# Altium PCB CHAHARDOLI-7 ADAD METAL.PcbDoc (part 11 of 11)
Units mm, origin at the board's own origin, x right, y up, seen from the top; angles counter-clockwise.
Board outline 151 x 86.38 mm, 2 copper layers (Top Layer, Bottom Layer); 1496 components, 81 nets, 3725 pads, 848 vias.
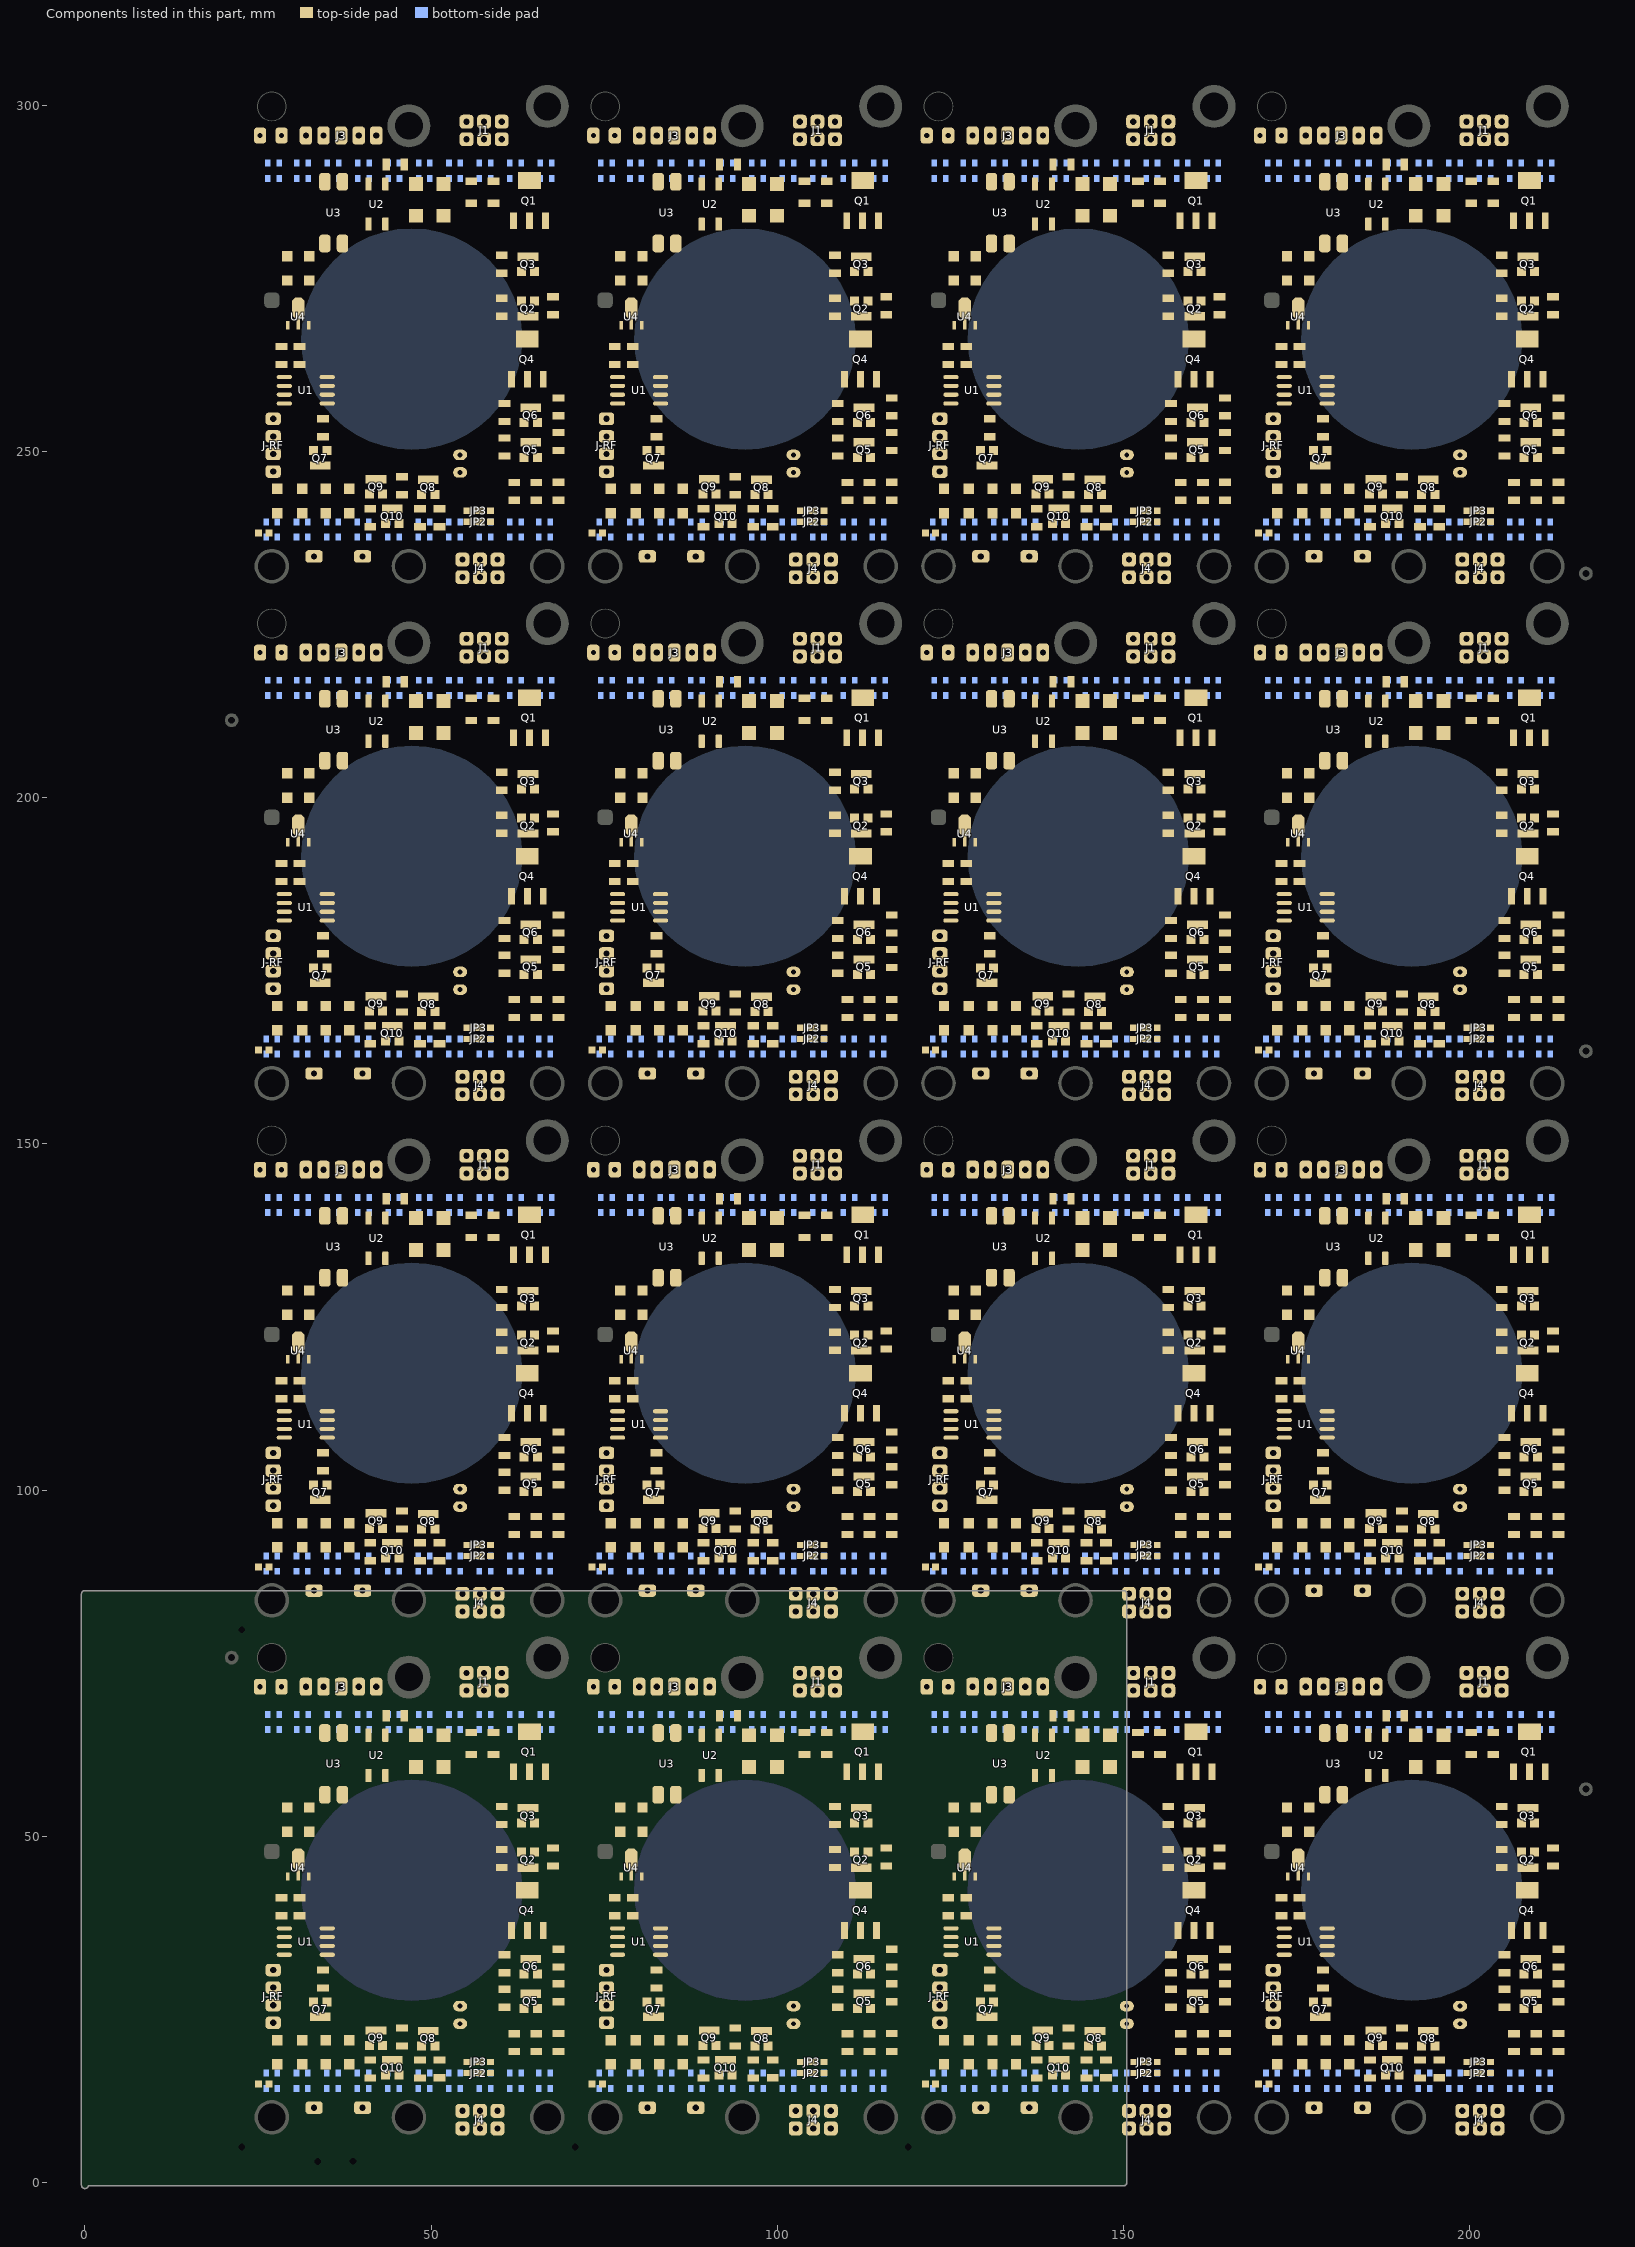
[diagram p11: the components of this part, seen from the top]

## Via types
v1: diameter 1.2, hole 0.6, Top Layer to Bottom Layer, tented both sides, 464 vias
v2: diameter 0.9, hole 0.6, Top Layer to Bottom Layer, tented both sides, 128 vias
v3: diameter 1, hole 0.6, Top Layer to Bottom Layer, tented both sides, 128 vias
v4: diameter 1.27, hole 0.6, Top Layer to Bottom Layer, tented both sides, 112 vias
v5: diameter 1.27, hole 0.711, Top Layer to Bottom Layer, tented both sides, 16 vias

## Nets (pads, with @x,y where several pads share a name; then routed paths per layer and width w, separated by ;. In a path a pad name is that pad's centre, name@x,y a point inside that pad or via, vN(x,y) a via of type N, cw(c..) or ccw(c..) an arc to the next point about the centre after c; other vN are vias at no path point) (continued)
copper on no net: (continued)
  Bottom Layer w0.6: v1(34.6,136.888) 28,130.288 28,110.088 31,107.088 31,98.488 33.4,96.088 37.4,96.088 38.527,97.215 38.527,98.015 v1(38.587,98.076) ; v1(34.6,211.576) 28,204.976 28,184.776 31,181.776 31,173.176 33.4,170.776 37.4,170.776 38.527,171.903 38.527,172.703 v1(38.587,172.764) ; v1(34.6,286.264) 28,279.664 28,259.464 31,256.464 31,247.864 33.4,245.464 37.4,245.464 38.527,246.591 38.527,247.391 v1(38.587,247.452) ; 54.2,97.618 54.397,97.618 55.267,98.488 61,98.488 63.4,100.888 66.4,100.888 68.6,103.088 68.6,125.288 67.6,126.288 v1(67.4,126.288) ; 54.2,172.306 54.397,172.306 55.267,173.176 61,173.176 63.4,175.576 66.4,175.576 68.6,177.776 68.6,199.976 67.6,200.976 v1(67.4,200.976) ; 54.2,246.994 54.397,246.994 55.267,247.864 61,247.864 63.4,250.264 66.4,250.264 68.6,252.464 68.6,274.664 67.6,275.664 v1(67.4,275.664) ; v1(82.745,62.2) 76.145,55.6 76.145,35.4 79.145,32.4 79.145,23.8 81.545,21.4 85.545,21.4 86.672,22.527 86.672,23.327 v1(86.733,23.387) ; v1(82.745,136.888) 76.145,130.288 76.145,110.088 79.145,107.088 79.145,98.488 81.545,96.088 85.545,96.088 86.672,97.215 86.672,98.015 v1(86.733,98.076) ; v1(82.745,211.576) 76.145,204.976 76.145,184.776 79.145,181.776 79.145,173.176 81.545,170.776 85.545,170.776 86.672,171.903 86.672,172.703 v1(86.733,172.764) ; v1(82.745,286.264) 76.145,279.664 76.145,259.464 79.145,256.464 79.145,247.864 81.545,245.464 85.545,245.464 86.672,246.591 86.672,247.391 v1(86.733,247.452) ; 102.345,22.93 102.543,22.93 103.413,23.8 109.145,23.8 111.545,26.2 114.545,26.2 116.745,28.4 116.745,50.6 115.745,51.6 v1(115.545,51.6) ; 102.345,97.618 102.543,97.618 103.413,98.488 109.145,98.488 111.545,100.888 114.545,100.888 116.745,103.088 116.745,125.288 115.745,126.288 v1(115.545,126.288) ; 102.345,172.306 102.543,172.306 103.413,173.176 109.145,173.176 111.545,175.576 114.545,175.576 116.745,177.776 116.745,199.976 115.745,200.976 v1(115.545,200.976) ; 102.345,246.994 102.543,246.994 103.413,247.864 109.145,247.864 111.545,250.264 114.545,250.264 116.745,252.464 116.745,274.664 115.745,275.664 v1(115.545,275.664) ; v1(130.89,62.2) 124.29,55.6 124.29,35.4 127.29,32.4 127.29,23.8 129.69,21.4 133.69,21.4 134.817,22.527 134.817,23.327 v1(134.878,23.387) ; v1(130.89,136.888) 124.29,130.288 124.29,110.088 127.29,107.088 127.29,98.488 129.69,96.088 133.69,96.088 134.817,97.215 134.817,98.015 v1(134.878,98.076) ; v1(130.89,211.576) 124.29,204.976 124.29,184.776 127.29,181.776 127.29,173.176 129.69,170.776 133.69,170.776 134.817,171.903 134.817,172.703 v1(134.878,172.764) ; v1(130.89,286.264) 124.29,279.664 124.29,259.464 127.29,256.464 127.29,247.864 129.69,245.464 133.69,245.464 134.817,246.591 134.817,247.391 v1(134.878,247.452) ; 150.49,22.93 150.688,22.93 151.558,23.8 157.29,23.8 159.69,26.2 162.69,26.2 164.89,28.4 164.89,50.6 163.89,51.6 v1(163.69,51.6) ; 150.49,97.618 150.688,97.618 151.558,98.488 157.29,98.488 159.69,100.888 162.69,100.888 164.89,103.088 164.89,125.288 163.89,126.288 v1(163.69,126.288) ; 150.49,172.306 150.688,172.306 151.558,173.176 157.29,173.176 159.69,175.576 162.69,175.576 164.89,177.776 164.89,199.976 163.89,200.976 v1(163.69,200.976) ; 150.49,246.994 150.688,246.994 151.558,247.864 157.29,247.864 159.69,250.264 162.69,250.264 164.89,252.464 164.89,274.664 163.89,275.664 v1(163.69,275.664) ; v1(179.035,62.2) 172.435,55.6 172.435,35.4 175.435,32.4 175.435,23.8 177.835,21.4 181.835,21.4 182.962,22.527 182.962,23.327 v1(183.023,23.387) ; v1(179.035,136.888) 172.435,130.288 172.435,110.088 175.435,107.088 175.435,98.488 177.835,96.088 181.835,96.088 182.962,97.215 182.962,98.015 v1(183.023,98.076) ; v1(179.035,211.576) 172.435,204.976 172.435,184.776 175.435,181.776 175.435,173.176 177.835,170.776 181.835,170.776 182.962,171.903 182.962,172.703 v1(183.023,172.764) ; v1(179.035,286.264) 172.435,279.664 172.435,259.464 175.435,256.464 175.435,247.864 177.835,245.464 181.835,245.464 182.962,246.591 182.962,247.391 v1(183.023,247.452) ; 198.635,22.93 198.833,22.93 199.703,23.8 205.435,23.8 207.835,26.2 210.835,26.2 213.035,28.4 213.035,50.6 212.035,51.6 v1(211.835,51.6) ; 198.635,97.618 198.833,97.618 199.703,98.488 205.435,98.488 207.835,100.888 210.835,100.888 213.035,103.088 213.035,125.288 212.035,126.288 v1(211.835,126.288) ; 198.635,172.306 198.833,172.306 199.703,173.176 205.435,173.176 207.835,175.576 210.835,175.576 213.035,177.776 213.035,199.976 212.035,200.976 v1(211.835,200.976) ; 198.635,246.994 198.833,246.994 199.703,247.864 205.435,247.864 207.835,250.264 210.835,250.264 213.035,252.464 213.035,274.664 212.035,275.664 v1(211.835,275.664)
  Bottom Layer w0.7: 23.588,90.676 23.588,81.5 24.35,80.738 37.2,80.738 ; 23.588,165.364 23.588,156.188 24.35,155.426 37.2,155.426 ; 23.588,240.053 23.588,230.876 24.35,230.114 37.2,230.114 ; 37,146.288 37.111,146.399 37.111,148.199 37.8,148.888 40.4,148.888 43.4,151.888 56.99,151.888 57.4,151.478 57.4,148.288 ; 37,220.976 37.111,221.087 37.111,222.887 37.8,223.576 40.4,223.576 43.4,226.576 56.99,226.576 57.4,226.166 57.4,222.976 ; 37,295.664 37.111,295.775 37.111,297.575 37.8,298.264 40.4,298.264 43.4,301.264 56.99,301.264 57.4,300.854 57.4,297.664 ; v1(37.2,85.488) 37.2,80.738 ; v1(37.2,160.176) 37.2,155.426 ; v1(37.2,234.864) 37.2,230.114 ; v1(69,98.488) 70.05,97.438 70.05,81.548 69.24,80.738 37.2,80.738 ; v1(69,173.176) 70.05,172.126 70.05,156.236 69.24,155.426 37.2,155.426 ; v1(69,247.864) 70.05,246.814 70.05,230.924 69.24,230.114 37.2,230.114 ; 71.733,15.988 71.733,6.812 72.495,6.05 85.345,6.05 ; 71.733,90.676 71.733,81.5 72.495,80.738 85.345,80.738 ; 71.733,165.364 71.733,156.188 72.495,155.426 85.345,155.426 ; 71.733,240.053 71.733,230.876 72.495,230.114 85.345,230.114 ; 85.145,71.6 85.256,71.711 85.256,73.511 85.945,74.2 88.545,74.2 91.545,77.2 105.135,77.2 105.545,76.79 105.545,73.6 ; 85.145,146.288 85.256,146.399 85.256,148.199 85.945,148.888 88.545,148.888 91.545,151.888 105.135,151.888 105.545,151.478 105.545,148.288 ; 85.145,220.976 85.256,221.087 85.256,222.887 85.945,223.576 88.545,223.576 91.545,226.576 105.135,226.576 105.545,226.166 105.545,222.976 ; 85.145,295.664 85.256,295.775 85.256,297.575 85.945,298.264 88.545,298.264 91.545,301.264 105.135,301.264 105.545,300.854 105.545,297.664 ; v1(85.345,10.8) 85.345,6.05 ; v1(85.345,85.488) 85.345,80.738 ; v1(85.345,160.176) 85.345,155.426 ; v1(85.345,234.864) 85.345,230.114 ; v1(117.145,23.8) 118.195,22.75 118.195,6.86 117.385,6.05 85.345,6.05 ; v1(117.145,98.488) 118.195,97.438 118.195,81.548 117.385,80.738 85.345,80.738 ; v1(117.145,173.176) 118.195,172.126 118.195,156.236 117.385,155.426 85.345,155.426 ; v1(117.145,247.864) 118.195,246.814 118.195,230.924 117.385,230.114 85.345,230.114 ; 119.878,15.988 119.878,6.812 120.64,6.05 133.49,6.05 ; 119.878,90.676 119.878,81.5 120.64,80.738 133.49,80.738 ; 119.878,165.364 119.878,156.188 120.64,155.426 133.49,155.426 ; 119.878,240.053 119.878,230.876 120.64,230.114 133.49,230.114 ; 133.29,71.6 133.401,71.711 133.401,73.511 134.09,74.2 136.69,74.2 139.69,77.2 153.28,77.2 153.69,76.79 153.69,73.6 ; 133.29,146.288 133.401,146.399 133.401,148.199 134.09,148.888 136.69,148.888 139.69,151.888 153.28,151.888 153.69,151.478 153.69,148.288 ; 133.29,220.976 133.401,221.087 133.401,222.887 134.09,223.576 136.69,223.576 139.69,226.576 153.28,226.576 153.69,226.166 153.69,222.976 ; 133.29,295.664 133.401,295.775 133.401,297.575 134.09,298.264 136.69,298.264 139.69,301.264 153.28,301.264 153.69,300.854 153.69,297.664 ; v1(133.49,10.8) 133.49,6.05 ; v1(133.49,85.488) 133.49,80.738 ; v1(133.49,160.176) 133.49,155.426 ; v1(133.49,234.864) 133.49,230.114 ; v1(165.29,23.8) 166.34,22.75 166.34,6.86 165.53,6.05 133.49,6.05 ; v1(165.29,98.488) 166.34,97.438 166.34,81.548 165.53,80.738 133.49,80.738 ; v1(165.29,173.176) 166.34,172.126 166.34,156.236 165.53,155.426 133.49,155.426 ; v1(165.29,247.864) 166.34,246.814 166.34,230.924 165.53,230.114 133.49,230.114 ; 168.024,15.988 168.024,6.812 168.785,6.05 181.635,6.05 ; 168.024,90.676 168.024,81.5 168.785,80.738 181.635,80.738 ; 168.024,165.364 168.024,156.188 168.785,155.426 181.635,155.426 ; 168.024,240.053 168.024,230.876 168.785,230.114 181.635,230.114 ; 181.435,71.6 181.546,71.711 181.546,73.511 182.235,74.2 184.835,74.2 187.835,77.2 201.425,77.2 201.835,76.79 201.835,73.6 ; 181.435,146.288 181.546,146.399 181.546,148.199 182.235,148.888 184.835,148.888 187.835,151.888 201.425,151.888 201.835,151.478 201.835,148.288 ; 181.435,220.976 181.546,221.087 181.546,222.887 182.235,223.576 184.835,223.576 187.835,226.576 201.425,226.576 201.835,226.166 201.835,222.976 ; 181.435,295.664 181.546,295.775 181.546,297.575 182.235,298.264 184.835,298.264 187.835,301.264 201.425,301.264 201.835,300.854 201.835,297.664 ; v1(181.635,10.8) 181.635,6.05 ; v1(181.635,85.488) 181.635,80.738 ; v1(181.635,160.176) 181.635,155.426 ; v1(181.635,234.864) 181.635,230.114 ; v1(213.435,23.8) 214.485,22.75 214.485,6.86 213.675,6.05 181.635,6.05 ; v1(213.435,98.488) 214.485,97.438 214.485,81.548 213.675,80.738 181.635,80.738 ; v1(213.435,173.176) 214.485,172.126 214.485,156.236 213.675,155.426 181.635,155.426 ; v1(213.435,247.864) 214.485,246.814 214.485,230.924 213.675,230.114 181.635,230.114
  Bottom Layer w0.8: 23.6,90.688 23.588,90.676 23.588,145.076 24.057,145.545 24.087,145.545 24.6,146.058 24.6,146.518 24.087,147.031 24.069,147.031 23.6,147.5 23.6,152.488 24.6,153.488 29.6,153.488 v5(31.4,151.688) ; 23.6,165.376 23.588,165.364 23.588,219.765 24.057,220.233 24.087,220.233 24.6,220.746 24.6,221.206 24.087,221.719 24.069,221.719 23.6,222.188 23.6,227.176 24.6,228.176 29.6,228.176 v5(31.4,226.376) ; 23.6,240.064 23.588,240.053 23.588,294.453 24.057,294.921 24.087,294.921 24.6,295.434 24.6,295.894 24.087,296.407 24.069,296.407 23.6,296.876 23.6,301.864 24.6,302.864 29.6,302.864 v5(31.4,301.064) ; 71.745,16 71.733,15.988 71.733,70.388 72.202,70.857 72.232,70.857 72.745,71.37 72.745,71.83 72.232,72.343 72.214,72.343 71.745,72.812 71.745,77.8 72.745,78.8 77.745,78.8 v5(79.545,77) ; 71.745,90.688 71.733,90.676 71.733,145.076 72.202,145.545 72.232,145.545 72.745,146.058 72.745,146.518 72.232,147.031 72.214,147.031 71.745,147.5 71.745,152.488 72.745,153.488 77.745,153.488 v5(79.545,151.688) ; 71.745,165.376 71.733,165.364 71.733,219.765 72.202,220.233 72.232,220.233 72.745,220.746 72.745,221.206 72.232,221.719 72.214,221.719 71.745,222.188 71.745,227.176 72.745,228.176 77.745,228.176 v5(79.545,226.376) ; 71.745,240.064 71.733,240.053 71.733,294.453 72.202,294.921 72.232,294.921 72.745,295.434 72.745,295.894 72.232,296.407 72.214,296.407 71.745,296.876 71.745,301.864 72.745,302.864 77.745,302.864 v5(79.545,301.064) ; 119.89,16 119.878,15.988 119.878,70.388 120.347,70.857 120.377,70.857 120.89,71.37 120.89,71.83 120.377,72.343 120.359,72.343 119.89,72.812 119.89,77.8 120.89,78.8 125.89,78.8 v5(127.69,77) ; 119.89,90.688 119.878,90.676 119.878,145.076 120.347,145.545 120.377,145.545 120.89,146.058 120.89,146.518 120.377,147.031 120.359,147.031 119.89,147.5 119.89,152.488 120.89,153.488 125.89,153.488 v5(127.69,151.688) ; 119.89,165.376 119.878,165.364 119.878,219.765 120.347,220.233 120.377,220.233 120.89,220.746 120.89,221.206 120.377,221.719 120.359,221.719 119.89,222.188 119.89,227.176 120.89,228.176 125.89,228.176 v5(127.69,226.376) ; 119.89,240.064 119.878,240.053 119.878,294.453 120.347,294.921 120.377,294.921 120.89,295.434 120.89,295.894 120.377,296.407 120.359,296.407 119.89,296.876 119.89,301.864 120.89,302.864 125.89,302.864 v5(127.69,301.064) ; 168.035,16 168.024,15.988 168.024,70.388 168.492,70.857 168.522,70.857 169.035,71.37 169.035,71.83 168.522,72.343 168.504,72.343 168.035,72.812 168.035,77.8 169.035,78.8 174.035,78.8 v5(175.835,77) ; 168.035,90.688 168.024,90.676 168.024,145.076 168.492,145.545 168.522,145.545 169.035,146.058 169.035,146.518 168.522,147.031 168.504,147.031 168.035,147.5 168.035,152.488 169.035,153.488 174.035,153.488 v5(175.835,151.688) ; 168.035,165.376 168.024,165.364 168.024,219.765 168.492,220.233 168.522,220.233 169.035,220.746 169.035,221.206 168.522,221.719 168.504,221.719 168.035,222.188 168.035,227.176 169.035,228.176 174.035,228.176 v5(175.835,226.376) ; 168.035,240.064 168.024,240.053 168.024,294.453 168.492,294.921 168.522,294.921 169.035,295.434 169.035,295.894 168.522,296.407 168.504,296.407 168.035,296.876 168.035,301.864 169.035,302.864 174.035,302.864 v5(175.835,301.064)
  Bottom Layer w1: 28.4,146.288 28.789,146.677 28.789,147.077 31.2,149.488 35.8,149.488 37,150.688 38.546,150.688 38.746,150.488 v1(38.8,150.488) ; 28.4,220.976 28.789,221.365 28.789,221.765 31.2,224.176 35.8,224.176 37,225.376 38.546,225.376 38.746,225.176 v1(38.8,225.176) ; 28.4,295.664 28.789,296.053 28.789,296.453 31.2,298.864 35.8,298.864 37,300.064 38.546,300.064 38.746,299.864 v1(38.8,299.864) ; v1(30.8,123.488) 30.8,126.515 30.4,126.915 30.4,129.888 v1(32.2,131.688) ; v1(30.8,198.176) 30.8,201.203 30.4,201.603 30.4,204.576 v1(32.2,206.376) ; v1(30.8,272.864) 30.8,275.891 30.4,276.291 30.4,279.264 v1(32.2,281.064) ; v1@38.8,150.58 38.838,150.58 38.838,150.726 41.45,153.338 61.15,153.338 62.4,152.088 62.4,146.053 69.214,146.053 69.8,145.467 69.8,136.474 69.214,135.888 61.6,135.888 58.2,132.488 58.2,130.474 58.786,129.888 62.2,129.888 64.8,127.288 64.8,109.774 65.6,108.974 v1(65.6,108.888) ; v1@38.8,225.269 38.838,225.269 38.838,225.414 41.45,228.026 61.15,228.026 62.4,226.776 62.4,220.741 69.214,220.741 69.8,220.155 69.8,211.162 69.214,210.576 61.6,210.576 58.2,207.176 58.2,205.162 58.786,204.576 62.2,204.576 64.8,201.976 64.8,184.462 65.6,183.662 v1(65.6,183.576) ; v1@38.8,299.957 38.838,299.957 38.838,300.103 41.45,302.714 61.15,302.714 62.4,301.464 62.4,295.429 69.214,295.429 69.8,294.843 69.8,285.85 69.214,285.264 61.6,285.264 58.2,281.864 58.2,279.85 58.786,279.264 62.2,279.264 64.8,276.664 64.8,259.15 65.6,258.35 v1(65.6,258.264) ; 60.2,145.748 60.54,146.088 62.4,146.088 ; 60.2,220.436 60.54,220.776 62.4,220.776 ; 60.2,295.124 60.54,295.464 62.4,295.464 ; 67.438,142.288 67.4,142.25 67.4,141.188 67.4,140.126 67.438,140.088 67.512,140.015 67.512,138.326 v1(67.55,138.288) ; 67.438,216.976 67.4,216.938 67.4,215.876 67.4,214.814 67.438,214.776 67.512,214.703 67.512,213.014 v1(67.55,212.976) ; 67.438,291.664 67.4,291.626 67.4,290.564 67.4,289.503 67.438,289.464 67.512,289.391 67.512,287.703 v1(67.55,287.664) ; 76.545,71.6 76.934,71.989 76.934,72.389 79.345,74.8 83.945,74.8 85.145,76 86.691,76 86.891,75.8 v1(86.945,75.8) ; 76.545,146.288 76.934,146.677 76.934,147.077 79.345,149.488 83.945,149.488 85.145,150.688 86.691,150.688 86.891,150.488 v1(86.945,150.488) ; 76.545,220.976 76.934,221.365 76.934,221.765 79.345,224.176 83.945,224.176 85.145,225.376 86.691,225.376 86.891,225.176 v1(86.945,225.176) ; 76.545,295.664 76.934,296.053 76.934,296.453 79.345,298.864 83.945,298.864 85.145,300.064 86.691,300.064 86.891,299.864 v1(86.945,299.864) ; v1(78.945,123.488) 78.945,126.515 78.545,126.915 78.545,129.888 v1(80.345,131.688) ; v1(78.945,198.176) 78.945,201.203 78.545,201.603 78.545,204.576 v1(80.345,206.376) ; v1(78.945,272.864) 78.945,275.891 78.545,276.291 78.545,279.264 v1(80.345,281.064) ; v1(78.945,48.8) 78.945,51.827 78.545,52.227 78.545,55.2 v1(80.345,57) ; v1@86.945,75.892 86.983,75.892 86.983,76.038 89.595,78.65 109.295,78.65 110.545,77.4 110.545,71.365 117.359,71.365 117.945,70.779 117.945,61.786 117.359,61.2 109.745,61.2 106.345,57.8 106.345,55.786 106.931,55.2 110.345,55.2 112.945,52.6 112.945,35.086 113.745,34.286 v1(113.745,34.2) ; v1@86.945,150.58 86.983,150.58 86.983,150.726 89.595,153.338 109.295,153.338 110.545,152.088 110.545,146.053 117.359,146.053 117.945,145.467 117.945,136.474 117.359,135.888 109.745,135.888 106.345,132.488 106.345,130.474 106.931,129.888 110.345,129.888 112.945,127.288 112.945,109.774 113.745,108.974 v1(113.745,108.888) ; v1@86.945,225.269 86.983,225.269 86.983,225.414 89.595,228.026 109.295,228.026 110.545,226.776 110.545,220.741 117.359,220.741 117.945,220.155 117.945,211.162 117.359,210.576 109.745,210.576 106.345,207.176 106.345,205.162 106.931,204.576 110.345,204.576 112.945,201.976 112.945,184.462 113.745,183.662 v1(113.745,183.576) ; v1@86.945,299.957 86.983,299.957 86.983,300.103 89.595,302.714 109.295,302.714 110.545,301.464 110.545,295.429 117.359,295.429 117.945,294.843 117.945,285.85 117.359,285.264 109.745,285.264 106.345,281.864 106.345,279.85 106.931,279.264 110.345,279.264 112.945,276.664 112.945,259.15 113.745,258.35 v1(113.745,258.264) ; 108.345,71.06 108.685,71.4 110.545,71.4 ; 108.345,145.748 108.685,146.088 110.545,146.088 ; 108.345,220.436 108.685,220.776 110.545,220.776 ; 108.345,295.124 108.685,295.464 110.545,295.464 ; 115.583,67.6 115.545,67.562 115.545,66.5 115.545,65.438 115.583,65.4 115.657,65.326 115.657,63.638 v1(115.695,63.6) ; 115.583,142.288 115.545,142.25 115.545,141.188 115.545,140.126 115.583,140.088 115.657,140.015 115.657,138.326 v1(115.695,138.288) ; 115.583,216.976 115.545,216.938 115.545,215.876 115.545,214.814 115.583,214.776 115.657,214.703 115.657,213.014 v1(115.695,212.976) ; 115.583,291.664 115.545,291.626 115.545,290.564 115.545,289.503 115.583,289.464 115.657,289.391 115.657,287.703 v1(115.695,287.664) ; 124.69,71.6 125.079,71.989 125.079,72.389 127.49,74.8 132.09,74.8 133.29,76 134.836,76 135.036,75.8 v1(135.09,75.8) ; 124.69,146.288 125.079,146.677 125.079,147.077 127.49,149.488 132.09,149.488 133.29,150.688 134.836,150.688 135.036,150.488 v1(135.09,150.488) ; 124.69,220.976 125.079,221.365 125.079,221.765 127.49,224.176 132.09,224.176 133.29,225.376 134.836,225.376 135.036,225.176 v1(135.09,225.176) ; 124.69,295.664 125.079,296.053 125.079,296.453 127.49,298.864 132.09,298.864 133.29,300.064 134.836,300.064 135.036,299.864 v1(135.09,299.864) ; v1(127.09,48.8) 127.09,51.827 126.69,52.227 126.69,55.2 v1(128.49,57) ; v1(127.09,123.488) 127.09,126.515 126.69,126.915 126.69,129.888 v1(128.49,131.688) ; v1(127.09,198.176) 127.09,201.203 126.69,201.603 126.69,204.576 v1(128.49,206.376) ; v1(127.09,272.864) 127.09,275.891 126.69,276.291 126.69,279.264 v1(128.49,281.064) ; v1@135.09,75.892 135.128,75.892 135.128,76.038 137.74,78.65 157.44,78.65 158.69,77.4 158.69,71.365 165.504,71.365 166.09,70.779 166.09,61.786 165.504,61.2 157.89,61.2 154.49,57.8 154.49,55.786 155.076,55.2 158.49,55.2 161.09,52.6 161.09,35.086 161.89,34.286 v1(161.89,34.2) ; v1@135.09,150.58 135.128,150.58 135.128,150.726 137.74,153.338 157.44,153.338 158.69,152.088 158.69,146.053 165.504,146.053 166.09,145.467 166.09,136.474 165.504,135.888 157.89,135.888 154.49,132.488 154.49,130.474 155.076,129.888 158.49,129.888 161.09,127.288 161.09,109.774 161.89,108.974 v1(161.89,108.888) ; v1@135.09,225.269 135.128,225.269 135.128,225.414 137.74,228.026 157.44,228.026 158.69,226.776 158.69,220.741 165.504,220.741 166.09,220.155 166.09,211.162 165.504,210.576 157.89,210.576 154.49,207.176 154.49,205.162 155.076,204.576 158.49,204.576 161.09,201.976 161.09,184.462 161.89,183.662 v1(161.89,183.576) ; v1@135.09,299.957 135.128,299.957 135.128,300.103 137.74,302.714 157.44,302.714 158.69,301.464 158.69,295.429 165.504,295.429 166.09,294.843 166.09,285.85 165.504,285.264 157.89,285.264 154.49,281.864 154.49,279.85 155.076,279.264 158.49,279.264 161.09,276.664 161.09,259.15 161.89,258.35 v1(161.89,258.264) ; 156.49,71.06 156.83,71.4 158.69,71.4 ; 156.49,145.748 156.83,146.088 158.69,146.088 ; 156.49,220.436 156.83,220.776 158.69,220.776 ; 156.49,295.124 156.83,295.464 158.69,295.464 ; 163.728,67.6 163.69,67.562 163.69,66.5 163.69,65.438 163.728,65.4 163.802,65.326 163.802,63.638 v1(163.84,63.6) ; 163.728,142.288 163.69,142.25 163.69,141.188 163.69,140.126 163.728,140.088 163.802,140.015 163.802,138.326 v1(163.84,138.288) ; 163.728,216.976 163.69,216.938 163.69,215.876 163.69,214.814 163.728,214.776 163.802,214.703 163.802,213.014 v1(163.84,212.976) ; 163.728,291.664 163.69,291.626 163.69,290.564 163.69,289.503 163.728,289.464 163.802,289.391 163.802,287.703 v1(163.84,287.664) ; 172.835,71.6 173.224,71.989 173.224,72.389 175.635,74.8 180.235,74.8 181.435,76 182.981,76 183.181,75.8 v1(183.235,75.8) ; 172.835,146.288 173.224,146.677 173.224,147.077 175.635,149.488 180.235,149.488 181.435,150.688 182.981,150.688 183.181,150.488 v1(183.235,150.488) ; 172.835,220.976 173.224,221.365 173.224,221.765 175.635,224.176 180.235,224.176 181.435,225.376 182.981,225.376 183.181,225.176 v1(183.235,225.176) ; 172.835,295.664 173.224,296.053 173.224,296.453 175.635,298.864 180.235,298.864 181.435,300.064 182.981,300.064 183.181,299.864 v1(183.235,299.864) ; v1(175.235,48.8) 175.235,51.827 174.835,52.227 174.835,55.2 v1(176.635,57) ; v1(175.235,123.488) 175.235,126.515 174.835,126.915 174.835,129.888 v1(176.635,131.688) ; v1(175.235,198.176) 175.235,201.203 174.835,201.603 174.835,204.576 v1(176.635,206.376) ; v1(175.235,272.864) 175.235,275.891 174.835,276.291 174.835,279.264 v1(176.635,281.064) ; v1@183.235,75.892 183.274,75.892 183.274,76.038 185.885,78.65 205.585,78.65 206.835,77.4 206.835,71.365 213.65,71.365 214.235,70.779 214.235,61.786 213.65,61.2 206.035,61.2 202.635,57.8 202.635,55.786 203.221,55.2 206.635,55.2 209.235,52.6 209.235,35.086 210.035,34.286 v1(210.035,34.2) ; v1@183.235,150.58 183.274,150.58 183.274,150.726 185.885,153.338 205.585,153.338 206.835,152.088 206.835,146.053 213.65,146.053 214.235,145.467 214.235,136.474 213.65,135.888 206.035,135.888 202.635,132.488 202.635,130.474 203.221,129.888 206.635,129.888 209.235,127.288 209.235,109.774 210.035,108.974 v1(210.035,108.888) ; v1@183.235,225.269 183.274,225.269 183.274,225.414 185.885,228.026 205.585,228.026 206.835,226.776 206.835,220.741 213.65,220.741 214.235,220.155 214.235,211.162 213.65,210.576 206.035,210.576 202.635,207.176 202.635,205.162 203.221,204.576 206.635,204.576 209.235,201.976 209.235,184.462 210.035,183.662 v1(210.035,183.576) ; v1@183.235,299.957 183.274,299.957 183.274,300.103 185.885,302.714 205.585,302.714 206.835,301.464 206.835,295.429 213.65,295.429 214.235,294.843 214.235,285.85 213.65,285.264 206.035,285.264 202.635,281.864 202.635,279.85 203.221,279.264 206.635,279.264 209.235,276.664 209.235,259.15 210.035,258.35 v1(210.035,258.264) ; 204.635,71.06 204.975,71.4 206.835,71.4 ; 204.635,145.748 204.975,146.088 206.835,146.088 ; 204.635,220.436 204.975,220.776 206.835,220.776 ; 204.635,295.124 204.975,295.464 206.835,295.464 ; 211.874,67.6 211.835,67.562 211.835,66.5 211.835,65.438 211.874,65.4 211.947,65.326 211.947,63.638 v1(211.985,63.6) ; 211.874,142.288 211.835,142.25 211.835,141.188 211.835,140.126 211.874,140.088 211.947,140.015 211.947,138.326 v1(211.985,138.288) ; 211.874,216.976 211.835,216.938 211.835,215.876 211.835,214.814 211.874,214.776 211.947,214.703 211.947,213.014 v1(211.985,212.976) ; 211.874,291.664 211.835,291.626 211.835,290.564 211.835,289.503 211.874,289.464 211.947,289.391 211.947,287.703 v1(211.985,287.664)
  other v2: 66.8,73.2 114.945,73.2 163.09,73.2 211.235,73.2 65,74 68.6,74 113.145,74 116.745,74 161.29,74 164.89,74 209.435,74 213.035,74 64.2,75.8 69.4,75.8 112.345,75.8 117.545,75.8 160.49,75.8 165.69,75.8 208.635,75.8 213.835,75.8 65,77.6 68.6,77.6 113.145,77.6 116.745,77.6 161.29,77.6 164.89,77.6 209.435,77.6 213.035,77.6 66.8,78.4 114.945,78.4 163.09,78.4 211.235,78.4 66.8,147.888 114.945,147.888 163.09,147.888 211.235,147.888 65,148.688 68.6,148.688 113.145,148.688 116.745,148.688 161.29,148.688 164.89,148.688 209.435,148.688 213.035,148.688 64.2,150.488 69.4,150.488 112.345,150.488 117.545,150.488 160.49,150.488 165.69,150.488 208.635,150.488 213.835,150.488 65,152.288 68.6,152.288 113.145,152.288 116.745,152.288 161.29,152.288 164.89,152.288 209.435,152.288 213.035,152.288 66.8,153.088 114.945,153.088 163.09,153.088 211.235,153.088 66.8,222.576 114.945,222.576 163.09,222.576 211.235,222.576 65,223.376 68.6,223.376 113.145,223.376 116.745,223.376 161.29,223.376 164.89,223.376 209.435,223.376 213.035,223.376 64.2,225.176 69.4,225.176 112.345,225.176 117.545,225.176 160.49,225.176 165.69,225.176 208.635,225.176 213.835,225.176 65,226.976 68.6,226.976 113.145,226.976 116.745,226.976 161.29,226.976 164.89,226.976 209.435,226.976 213.035,226.976 66.8,227.776 114.945,227.776 163.09,227.776 211.235,227.776 66.8,297.264 114.945,297.264 163.09,297.264 211.235,297.264 65,298.064 68.6,298.064 113.145,298.064 116.745,298.064 161.29,298.064 164.89,298.064 209.435,298.064 213.035,298.064 64.2,299.864 69.4,299.864 112.345,299.864 117.545,299.864 160.49,299.864 165.69,299.864 208.635,299.864 213.835,299.864 65,301.664 68.6,301.664 113.145,301.664 116.745,301.664 161.29,301.664 164.89,301.664 209.435,301.664 213.035,301.664 66.8,302.464 114.945,302.464 163.09,302.464 211.235,302.464
  other v3: 46.8,70.4 94.945,70.4 143.09,70.4 191.235,70.4 45,71.2 48.6,71.2 93.145,71.2 96.745,71.2 141.29,71.2 144.89,71.2 189.435,71.2 193.035,71.2 44.2,73 49.4,73 92.345,73 97.545,73 140.49,73 145.69,73 188.635,73 193.835,73 45,74.8 93.145,74.8 141.29,74.8 189.435,74.8 46.8,75.6 94.945,75.6 143.09,75.6 191.235,75.6 46.8,145.088 94.945,145.088 143.09,145.088 191.235,145.088 45,145.888 48.6,145.888 93.145,145.888 96.745,145.888 141.29,145.888 144.89,145.888 189.435,145.888 193.035,145.888 44.2,147.688 49.4,147.688 92.345,147.688 97.545,147.688 140.49,147.688 145.69,147.688 188.635,147.688 193.835,147.688 45,149.488 93.145,149.488 141.29,149.488 189.435,149.488 46.8,150.288 94.945,150.288 143.09,150.288 191.235,150.288 46.8,219.776 94.945,219.776 143.09,219.776 191.235,219.776 45,220.576 48.6,220.576 93.145,220.576 96.745,220.576 141.29,220.576 144.89,220.576 189.435,220.576 193.035,220.576 44.2,222.376 49.4,222.376 92.345,222.376 97.545,222.376 140.49,222.376 145.69,222.376 188.635,222.376 193.835,222.376 45,224.176 93.145,224.176 141.29,224.176 189.435,224.176 46.8,224.976 94.945,224.976 143.09,224.976 191.235,224.976 46.8,294.464 94.945,294.464 143.09,294.464 191.235,294.464 45,295.264 48.6,295.264 93.145,295.264 96.745,295.264 141.29,295.264 144.89,295.264 189.435,295.264 193.035,295.264 44.2,297.064 49.4,297.064 92.345,297.064 97.545,297.064 140.49,297.064 145.69,297.064 188.635,297.064 193.835,297.064 45,298.864 93.145,298.864 141.29,298.864 189.435,298.864 46.8,299.664 94.945,299.664 143.09,299.664 191.235,299.664
  other v4: 88.145,38.8 136.29,38.8 184.435,38.8 86.745,41.2 134.89,41.2 183.035,41.2 84.745,43.2 132.89,43.2 181.035,43.2 85.545,46.2 133.69,46.2 181.835,46.2 89.745,48.9 137.89,48.9 186.035,48.9 87.145,49.1 135.29,49.1 183.435,49.1 40,113.488 88.145,113.488 136.29,113.488 184.435,113.488 38.6,115.888 86.745,115.888 134.89,115.888 183.035,115.888 36.6,117.888 84.745,117.888 132.89,117.888 181.035,117.888 37.4,120.888 85.545,120.888 133.69,120.888 181.835,120.888 41.6,123.588 89.745,123.588 137.89,123.588 186.035,123.588 39,123.788 87.145,123.788 135.29,123.788 183.435,123.788 40,188.176 88.145,188.176 136.29,188.176 184.435,188.176 38.6,190.576 86.745,190.576 134.89,190.576 183.035,190.576 36.6,192.576 84.745,192.576 132.89,192.576 181.035,192.576 37.4,195.576 85.545,195.576 133.69,195.576 181.835,195.576 41.6,198.276 89.745,198.276 137.89,198.276 186.035,198.276 39,198.476 87.145,198.476 135.29,198.476 183.435,198.476 40,262.864 88.145,262.864 136.29,262.864 184.435,262.864 38.6,265.264 86.745,265.264 134.89,265.264 183.035,265.264 36.6,267.264 84.745,267.264 132.89,267.264 181.035,267.264 37.4,270.264 85.545,270.264 133.69,270.264 181.835,270.264 41.6,272.964 89.745,272.964 137.89,272.964 186.035,272.964 39,273.164 87.145,273.164 135.29,273.164 183.435,273.164

## Polygon pours and split planes (outlines as drawn)
GND on Top Layer "NONET_L01_P024" (hatched 90Degree grid 0.5 track 0.2, shelved, pour order 24): 75.946,71.374 115.697,71.374 115.57,71.247 115.57,9.779 76.073,9.779
no net on Bottom Layer "NONET_L02_P028" (hatched 90Degree grid 0.8 track 0.4, pour order 28): 71.345,79 117.745,79 117.745,6 71.546,6
GND on Bottom Layer "GND_L02_P026" (hatched 90Degree grid 0.8 track 0.4, pour order 26): 23.2,79 69.6,79 69.6,6 23.401,6
no net on Bottom Layer "NONET_L02_P030" (hatched 90Degree grid 0.8 track 0.4, pour order 30): 119.49,79 165.89,79 165.89,6 119.691,6
no net on Bottom Layer "NONET_L02_P032" (hatched 90Degree grid 0.8 track 0.4, pour order 32): 167.635,79 214.035,79 214.035,6 167.836,6
no net on Bottom Layer "NONET_L02_P034" (hatched 90Degree grid 0.8 track 0.4, pour order 34): 167.635,153.688 214.035,153.688 214.035,80.688 167.836,80.688
no net on Bottom Layer "NONET_L02_P036" (hatched 90Degree grid 0.8 track 0.4, pour order 36): 119.49,153.688 165.89,153.688 165.89,80.688 119.691,80.688
no net on Bottom Layer "NONET_L02_P038" (hatched 90Degree grid 0.8 track 0.4, pour order 38): 23.2,153.688 69.6,153.688 69.6,80.688 23.401,80.688
no net on Bottom Layer "NONET_L02_P040" (hatched 90Degree grid 0.8 track 0.4, pour order 40): 71.345,153.688 117.745,153.688 117.745,80.688 71.546,80.688
no net on Bottom Layer "NONET_L02_P042" (hatched 90Degree grid 0.8 track 0.4, pour order 42): 167.635,228.376 214.035,228.376 214.035,155.376 167.836,155.376
no net on Bottom Layer "NONET_L02_P044" (hatched 90Degree grid 0.8 track 0.4, pour order 44): 119.49,228.376 165.89,228.376 165.89,155.376 119.691,155.376
no net on Bottom Layer "NONET_L02_P046" (hatched 90Degree grid 0.8 track 0.4, pour order 46): 23.2,228.376 69.6,228.376 69.6,155.376 23.401,155.376
no net on Bottom Layer "NONET_L02_P048" (hatched 90Degree grid 0.8 track 0.4, pour order 48): 71.345,228.376 117.745,228.376 117.745,155.376 71.546,155.376
no net on Bottom Layer "NONET_L02_P050" (hatched 90Degree grid 0.8 track 0.4, pour order 50): 167.635,303.064 214.035,303.064 214.035,230.064 167.836,230.064
no net on Bottom Layer "NONET_L02_P052" (hatched 90Degree grid 0.8 track 0.4, pour order 52): 119.49,303.064 165.89,303.064 165.89,230.064 119.691,230.064
no net on Bottom Layer "NONET_L02_P054" (hatched 90Degree grid 0.8 track 0.4, pour order 54): 23.2,303.064 69.6,303.064 69.6,230.064 23.401,230.064
no net on Bottom Layer "NONET_L02_P056" (hatched 90Degree grid 0.8 track 0.4, pour order 56): 71.345,303.064 117.745,303.064 117.745,230.064 71.546,230.064

## Keep-outs
Keep-Out Layer:
  lines w0.3: 22.914,226.073 22.914,228.929 25.77,228.929 ; 22.914,232.305 22.914,229.449 25.77,229.449 ; 22.914,300.761 22.914,303.617 25.77,303.617 ; 22.914,8.241 22.914,5.385 25.77,5.385 ; 22.914,76.697 22.914,79.553 25.77,79.553 ; 22.914,82.929 22.914,80.073 25.77,80.073 ; 22.914,151.385 22.914,154.241 25.77,154.241 ; 22.914,157.617 22.914,154.761 25.77,154.761 ; 67.683,5.385 70.539,5.385 70.539,8.241 ; 67.683,303.617 70.539,303.617 70.539,300.761 ; 71.059,8.241 71.059,5.385 73.915,5.385 ; 71.059,300.761 71.059,303.617 73.915,303.617 ; 115.828,5.385 118.684,5.385 118.684,8.241 ; 115.828,303.617 118.684,303.617 118.684,300.761 ; 119.204,8.241 119.204,5.385 122.06,5.385 ; 119.204,300.761 119.204,303.617 122.06,303.617 ; 163.973,5.385 166.829,5.385 166.829,8.241 ; 163.973,303.617 166.829,303.617 166.829,300.761 ; 167.349,8.241 167.349,5.385 170.205,5.385 ; 167.349,300.761 167.349,303.617 170.205,303.617 ; 212.118,5.385 214.974,5.385 214.974,8.241 ; 212.118,79.553 214.974,79.553 214.974,76.697 ; 212.118,80.073 214.974,80.073 214.974,82.929 ; 212.118,154.241 214.974,154.241 214.974,151.385 ; 212.118,154.761 214.974,154.761 214.974,157.617 ; 212.118,228.929 214.974,228.929 214.974,226.073 ; 212.118,229.449 214.974,229.449 214.974,232.305 ; 212.118,303.617 214.974,303.617 214.974,300.761
  text "CHAHARDOLI-7 SERI-MESHKI VA GHETE 2 TARAF" at 167.4,3 h1.62

## Other copper
Top Layer:
  text "M0260" at 72.8,304.6 h1.62
  text "M0260" at 168,304.6 h1.62
Multi-Layer:
  lines w0.3: 17.45,303.85 22.5,303.85 ; 17.55,5.2 22.6,5.2 ; 22.55,0.05 22.55,5.1 ; 22.6,303.8 22.6,308.85 ; 215.2,0.15 215.2,5.2 ; 215.2,304 220.25,304 ; 215.25,304.1 215.25,309.15 ; 215.3,5.15 220.35,5.15

## Silkscreen, mask and mechanical layers (free items; w line width, h text height)
Top Overlay:
  drawing of 1904 lines, arcs and shapes, not listed
  text "CHAHARDOLI-7 SERI-MESHKI VA GHETE 2 TARAF" at 97.6,304.8 h1.62
  text "KEY" at 56.4,301.48 h1.52
  text "KEY" at 104.545,301.48 h1.52
  text "KEY" at 152.69,301.48 h1.52
  text "KEY" at 200.835,301.48 h1.52
  text "LED" at 33.8,293.664 h1.7 r270
  text "KEY" at 36.418,293.664 h1.7 r270
  text "GND" at 39.018,293.664 h1.7 r270
  text "ACS" at 41.418,293.664 h1.7 r270
  text "LED" at 81.945,293.664 h1.7 r270
  text "KEY" at 84.563,293.664 h1.7 r270
  text "GND" at 87.163,293.664 h1.7 r270
  text "ACS" at 89.563,293.664 h1.7 r270
  text "LED" at 130.09,293.664 h1.7 r270
  text "KEY" at 132.708,293.664 h1.7 r270
  text "GND" at 135.308,293.664 h1.7 r270
  text "ACS" at 137.708,293.664 h1.7 r270
  text "LED" at 178.235,293.664 h1.7 r270
  text "KEY" at 180.853,293.664 h1.7 r270
  text "GND" at 183.453,293.664 h1.7 r270
  text "ACS" at 185.853,293.664 h1.7 r270
  text "+24" at 31.418,293.463 h1.7 r270
  text "+24" at 79.563,293.463 h1.7 r270
  text "+24" at 127.708,293.463 h1.7 r270
  text "+24" at 175.853,293.463 h1.7 r270
  text "LED" at 56.2,290.664 h1.52
  text "LED" at 104.345,290.664 h1.52
  text "LED" at 152.49,290.664 h1.52
  text "LED" at 200.635,290.664 h1.52
  text "M7" at 47,290.282 h1.7
  text "ACS" at 50.2,290.282 h1.7
  text "M7" at 95.145,290.282 h1.7
  text "ACS" at 98.345,290.282 h1.7
  text "M7" at 143.29,290.282 h1.7
  text "ACS" at 146.49,290.282 h1.7
  text "M7" at 191.435,290.282 h1.7
  text "ACS" at 194.635,290.282 h1.7
  text "53" at 63.1,285.464 h2
  text "53" at 111.245,285.464 h2
  text "53" at 159.39,285.464 h2
  text "53" at 207.535,285.464 h2
  text "56" at 62.8,262.864 h2
  text "56" at 110.945,262.864 h2
  text "56" at 159.09,262.864 h2
  text "56" at 207.235,262.864 h2
  text "SN" at 36.2,253.664 h2.8
  text "SN" at 84.345,253.664 h2.8
  text "SN" at 132.49,253.664 h2.8
  text "SN" at 180.635,253.664 h2.8
  text "W" at 56.1,242.464 h2
  text "W" at 104.245,242.464 h2
  text "W" at 152.39,242.464 h2
  text "W" at 200.535,242.464 h2
  text "Untouched" at 54.184,238.664 h1.52 r90
  text "Touched" at 60.384,238.664 h1.52 r90
  text "Untouched" at 102.329,238.664 h1.52 r90
  text "Touched" at 108.529,238.664 h1.52 r90
  text "Untouched" at 150.474,238.664 h1.52 r90
  text "Touched" at 156.674,238.664 h1.52 r90
  text "Untouched" at 198.619,238.664 h1.52 r90
  text "Touched" at 204.819,238.664 h1.52 r90
  text "G  R  B" at 53.6,236.464 h2.5
  text "G  R  B" at 101.745,236.464 h2.5
  text "G  R  B" at 149.89,236.464 h2.5
  text "G  R  B" at 198.035,236.464 h2.5
  text "KEY" at 56.4,226.792 h1.52
  text "KEY" at 104.545,226.792 h1.52
  text "KEY" at 152.69,226.792 h1.52
  text "KEY" at 200.835,226.792 h1.52
  text "LED" at 33.8,218.976 h1.7 r270
  text "KEY" at 36.418,218.976 h1.7 r270
  text "GND" at 39.018,218.976 h1.7 r270
  text "ACS" at 41.418,218.976 h1.7 r270
  text "LED" at 81.945,218.976 h1.7 r270
  text "KEY" at 84.563,218.976 h1.7 r270
  text "GND" at 87.163,218.976 h1.7 r270
  text "ACS" at 89.563,218.976 h1.7 r270
  text "LED" at 130.09,218.976 h1.7 r270
  text "KEY" at 132.708,218.976 h1.7 r270
  text "GND" at 135.308,218.976 h1.7 r270
  text "ACS" at 137.708,218.976 h1.7 r270
  text "LED" at 178.235,218.976 h1.7 r270
  text "KEY" at 180.853,218.976 h1.7 r270
  text "GND" at 183.453,218.976 h1.7 r270
  text "ACS" at 185.853,218.976 h1.7 r270
  text "+24" at 31.418,218.775 h1.7 r270
  text "+24" at 79.563,218.775 h1.7 r270
  text "+24" at 127.708,218.775 h1.7 r270
  text "+24" at 175.853,218.775 h1.7 r270
  text "LED" at 56.2,215.976 h1.52
  text "LED" at 104.345,215.976 h1.52
  text "LED" at 152.49,215.976 h1.52
  text "LED" at 200.635,215.976 h1.52
  text "M7" at 47,215.594 h1.7
  text "ACS" at 50.2,215.594 h1.7
  text "M7" at 95.145,215.594 h1.7
  text "ACS" at 98.345,215.594 h1.7
  text "M7" at 143.29,215.594 h1.7
  text "ACS" at 146.49,215.594 h1.7
  text "M7" at 191.435,215.594 h1.7
  text "ACS" at 194.635,215.594 h1.7
  text "53" at 63.1,210.776 h2
  text "53" at 111.245,210.776 h2
  text "53" at 159.39,210.776 h2
  text "53" at 207.535,210.776 h2
  text "56" at 62.8,188.176 h2
  text "56" at 110.945,188.176 h2
  text "56" at 159.09,188.176 h2
  text "56" at 207.235,188.176 h2
  text "SN" at 36.2,178.976 h2.8
  text "SN" at 84.345,178.976 h2.8
  text "SN" at 132.49,178.976 h2.8
  text "SN" at 180.635,178.976 h2.8
  text "W" at 56.1,167.776 h2
  text "W" at 104.245,167.776 h2
  text "W" at 152.39,167.776 h2
  text "W" at 200.535,167.776 h2
  text "Untouched" at 54.184,163.976 h1.52 r90
  text "Touched" at 60.384,163.976 h1.52 r90
  text "Untouched" at 102.329,163.976 h1.52 r90
  text "Touched" at 108.529,163.976 h1.52 r90
  text "Untouched" at 150.474,163.976 h1.52 r90
  text "Touched" at 156.674,163.976 h1.52 r90
  text "Untouched" at 198.619,163.976 h1.52 r90
  text "Touched" at 204.819,163.976 h1.52 r90
  text "G  R  B" at 53.6,161.776 h2.5
  text "G  R  B" at 101.745,161.776 h2.5
  text "G  R  B" at 149.89,161.776 h2.5
  text "G  R  B" at 198.035,161.776 h2.5
  text "CHAHARDOLI-7 SERI-MESHKI VA GHETE 2 TARAF" at 217.4,156 h1.62 r90
  text "KEY" at 56.4,152.104 h1.52
  text "KEY" at 104.545,152.104 h1.52
  text "KEY" at 152.69,152.104 h1.52
  text "KEY" at 200.835,152.104 h1.52
  text "LED" at 33.8,144.288 h1.7 r270
  text "KEY" at 36.418,144.288 h1.7 r270
  text "GND" at 39.018,144.288 h1.7 r270
  text "ACS" at 41.418,144.288 h1.7 r270
  text "LED" at 81.945,144.288 h1.7 r270
  text "KEY" at 84.563,144.288 h1.7 r270
  text "GND" at 87.163,144.288 h1.7 r270
  text "ACS" at 89.563,144.288 h1.7 r270
  text "LED" at 130.09,144.288 h1.7 r270
  text "KEY" at 132.708,144.288 h1.7 r270
  text "GND" at 135.308,144.288 h1.7 r270
  text "ACS" at 137.708,144.288 h1.7 r270
  text "LED" at 178.235,144.288 h1.7 r270
  text "KEY" at 180.853,144.288 h1.7 r270
  text "GND" at 183.453,144.288 h1.7 r270
  text "ACS" at 185.853,144.288 h1.7 r270
  text "+24" at 31.418,144.087 h1.7 r270
  text "+24" at 79.563,144.087 h1.7 r270
  text "+24" at 127.708,144.087 h1.7 r270
  text "+24" at 175.853,144.087 h1.7 r270
  text "LED" at 56.2,141.288 h1.52
  text "LED" at 104.345,141.288 h1.52
  text "LED" at 152.49,141.288 h1.52
  text "LED" at 200.635,141.288 h1.52
  text "M7" at 47,140.906 h1.7
  text "ACS" at 50.2,140.906 h1.7
  text "M7" at 95.145,140.906 h1.7
  text "ACS" at 98.345,140.906 h1.7
  text "M7" at 143.29,140.906 h1.7
  text "ACS" at 146.49,140.906 h1.7
  text "M7" at 191.435,140.906 h1.7
  text "ACS" at 194.635,140.906 h1.7
  text "53" at 63.1,136.088 h2
  text "53" at 111.245,136.088 h2
  text "53" at 159.39,136.088 h2
  text "53" at 207.535,136.088 h2
  text "56" at 62.8,113.488 h2
  text "56" at 110.945,113.488 h2
  text "56" at 159.09,113.488 h2
  text "56" at 207.235,113.488 h2
  text "SN" at 36.2,104.288 h2.8
  text "SN" at 84.345,104.288 h2.8
  text "SN" at 132.49,104.288 h2.8
  text "SN" at 180.635,104.288 h2.8
  text "W" at 56.1,93.088 h2
  text "W" at 104.245,93.088 h2
  text "W" at 152.39,93.088 h2
  text "W" at 200.535,93.088 h2
  text "Untouched" at 54.184,89.288 h1.52 r90
  text "Touched" at 60.384,89.288 h1.52 r90
  text "Untouched" at 102.329,89.288 h1.52 r90
  text "Touched" at 108.529,89.288 h1.52 r90
  text "Untouched" at 150.474,89.288 h1.52 r90
  text "Touched" at 156.674,89.288 h1.52 r90
  text "Untouched" at 198.619,89.288 h1.52 r90
  text "Touched" at 204.819,89.288 h1.52 r90
  text "G  R  B" at 53.6,87.088 h2.5
  text "G  R  B" at 101.745,87.088 h2.5
  text "G  R  B" at 149.89,87.088 h2.5
  text "G  R  B" at 198.035,87.088 h2.5
  text "KEY" at 56.4,77.416 h1.52
  text "KEY" at 104.545,77.416 h1.52
  text "KEY" at 152.69,77.416 h1.52
  text "KEY" at 200.835,77.416 h1.52
  text "LED" at 33.8,69.6 h1.7 r270
  text "KEY" at 36.418,69.6 h1.7 r270
  text "GND" at 39.018,69.6 h1.7 r270
  text "ACS" at 41.418,69.6 h1.7 r270
  text "LED" at 81.945,69.6 h1.7 r270
  text "KEY" at 84.563,69.6 h1.7 r270
  text "GND" at 87.163,69.6 h1.7 r270
  text "ACS" at 89.563,69.6 h1.7 r270
  text "LED" at 130.09,69.6 h1.7 r270
  text "KEY" at 132.708,69.6 h1.7 r270
  text "GND" at 135.308,69.6 h1.7 r270
  text "ACS" at 137.708,69.6 h1.7 r270
  text "LED" at 178.235,69.6 h1.7 r270
  text "KEY" at 180.853,69.6 h1.7 r270
  text "GND" at 183.453,69.6 h1.7 r270
  text "ACS" at 185.853,69.6 h1.7 r270
  text "+24" at 31.418,69.399 h1.7 r270
  text "+24" at 79.563,69.399 h1.7 r270
  text "+24" at 127.708,69.399 h1.7 r270
  text "+24" at 175.853,69.399 h1.7 r270
  text "LED" at 56.2,66.6 h1.52
  text "LED" at 104.345,66.6 h1.52
  text "LED" at 152.49,66.6 h1.52
  text "LED" at 200.635,66.6 h1.52
  text "M7" at 47,66.218 h1.7
  text "ACS" at 50.2,66.218 h1.7
  text "M7" at 95.145,66.218 h1.7
  text "ACS" at 98.345,66.218 h1.7
  text "M7" at 143.29,66.218 h1.7
  text "ACS" at 146.49,66.218 h1.7
  text "M7" at 191.435,66.218 h1.7
  text "ACS" at 194.635,66.218 h1.7
  text "53" at 63.1,61.4 h2
  text "53" at 111.245,61.4 h2
  text "53" at 159.39,61.4 h2
  text "53" at 207.535,61.4 h2
  text "56" at 62.8,38.8 h2
  text "56" at 110.945,38.8 h2
  text "56" at 159.09,38.8 h2
  text "56" at 207.235,38.8 h2
  text "SN" at 36.2,29.6 h2.8
  text "SN" at 84.345,29.6 h2.8
  text "SN" at 132.49,29.6 h2.8
  text "SN" at 180.635,29.6 h2.8
  text "W" at 56.1,18.4 h2
  text "W" at 104.245,18.4 h2
  text "W" at 152.39,18.4 h2
  text "W" at 200.535,18.4 h2
  text "Untouched" at 54.184,14.6 h1.52 r90
  text "Touched" at 60.384,14.6 h1.52 r90
  text "Untouched" at 102.329,14.6 h1.52 r90
  text "Touched" at 108.529,14.6 h1.52 r90
  text "Untouched" at 150.474,14.6 h1.52 r90
  text "Touched" at 156.674,14.6 h1.52 r90
  text "Untouched" at 198.619,14.6 h1.52 r90
  text "Touched" at 204.819,14.6 h1.52 r90
  text "G  R  B" at 53.6,12.4 h2.5
  text "G  R  B" at 101.745,12.4 h2.5
  text "G  R  B" at 149.89,12.4 h2.5
  text "G  R  B" at 198.035,12.4 h2.5
Bottom Overlay:
  drawing of 784 lines, arcs and shapes, not listed
  text "CHAHARDOLI-7 SERI-MESHKI VA GHETE 2 TARAF" at 218.2,220 h1.62 r90
Top Solder:
  text "TOP" at 181.075,305.4 h2.5
  text "TOP" at 21.2,269.675 h2.5 r90
  text "TOP" at 216.6,39.325 h2.5 r270
  text "TOP" at 56.725,3.8 h2.5 r180
Bottom Solder:
  text "BOT" at 58.075,305.45 h2.5
  text "BOT" at 216.85,268.525 h2.5 r270
  text "BOT" at 20.95,40.675 h2.5 r90
  text "BOT" at 179.725,3.55 h2.5 r180

## Text inside footprints (layer, text, board x,y; h text height)
Buzzer1: Top Overlay "+" at 80.484,12.07 h1.52
Buzzer1: Top Overlay "+" at 32.339,12.07 h1.52
Buzzer1: Top Overlay "+" at 128.629,12.07 h1.52
Buzzer1: Top Overlay "+" at 176.774,12.07 h1.52
Buzzer1: Top Overlay "+" at 176.774,86.758 h1.52
Buzzer1: Top Overlay "+" at 128.629,86.758 h1.52
Buzzer1: Top Overlay "+" at 32.339,86.758 h1.52
Buzzer1: Top Overlay "+" at 80.484,86.758 h1.52
Buzzer1: Top Overlay "+" at 176.774,161.446 h1.52
Buzzer1: Top Overlay "+" at 128.629,161.446 h1.52
Buzzer1: Top Overlay "+" at 32.339,161.446 h1.52
Buzzer1: Top Overlay "+" at 80.484,161.446 h1.52
Buzzer1: Top Overlay "+" at 176.774,236.134 h1.52
Buzzer1: Top Overlay "+" at 128.629,236.134 h1.52
Buzzer1: Top Overlay "+" at 32.339,236.134 h1.52
Buzzer1: Top Overlay "+" at 80.484,236.134 h1.52
Designator95_2: Top Overlay "TOP" at 18.633,303.472 h3 r270; Bottom Overlay "BOT" at 21.733,285.172 h3 r90
Designator95_2: Top Overlay "TOP" at 18.633,303.472 h3 r270; Bottom Layer "BOT" at 21.733,285.172 h3 r90
Designator95_2: Top Overlay "TOP" at 214.872,307.967 h3 r180; Bottom Overlay "BOT" at 196.572,304.867 h3
Designator95_2: Top Overlay "TOP" at 214.872,307.967 h3 r180; Bottom Layer "BOT" at 196.572,304.867 h3
Designator95_2: Top Overlay "TOP" at 22.928,1.233 h3; Bottom Overlay "BOT" at 41.228,4.333 h3 r180
Designator95_2: Top Overlay "TOP" at 22.928,1.233 h3; Bottom Layer "BOT" at 41.228,4.333 h3 r180
Designator95_2: Top Overlay "TOP" at 219.167,5.528 h3 r90; Bottom Overlay "BOT" at 216.067,23.828 h3 r270
Designator95_2: Top Overlay "TOP" at 219.167,5.528 h3 r90; Bottom Layer "BOT" at 216.067,23.828 h3 r270
Designator95_2: Top Solder "TOP" at 18.633,303.472 h3 r270; Bottom Layer "BOT" at 21.733,285.172 h3 r90
Designator95_2: Top Solder "TOP" at 18.633,303.472 h3 r270; Bottom Layer "BOT" at 21.733,285.172 h3 r90
Designator95_2: Top Solder "TOP" at 214.872,307.967 h3 r180; Bottom Layer "BOT" at 196.572,304.867 h3
Designator95_2: Top Solder "TOP" at 214.872,307.967 h3 r180; Bottom Layer "BOT" at 196.572,304.867 h3
Designator95_2: Top Solder "TOP" at 22.928,1.233 h3; Bottom Layer "BOT" at 41.228,4.333 h3 r180
Designator95_2: Top Solder "TOP" at 22.928,1.233 h3; Bottom Layer "BOT" at 41.228,4.333 h3 r180
Designator95_2: Top Solder "TOP" at 219.167,5.528 h3 r90; Bottom Layer "BOT" at 216.067,23.828 h3 r270
Designator95_2: Top Solder "TOP" at 219.167,5.528 h3 r90; Bottom Layer "BOT" at 216.067,23.828 h3 r270
Designator95_2: Top Layer "TOPR" at 22.978,304.983 h2.5; Bottom Layer "BOTR" at 41.278,308.083 h2.5 r180
Designator95_2: Top Layer "TOP" at 18.633,303.472 h3 r270; Bottom Layer "BOT" at 21.733,285.172 h3 r90
Designator95_2: Top Layer "TOPR" at 216.383,303.622 h2.5 r270; Bottom Layer "BOTR" at 219.483,285.322 h2.5 r90
Designator95_2: Top Layer "TOP" at 214.872,307.967 h3 r180; Bottom Layer "BOT" at 196.572,304.867 h3
Designator95_2: Top Layer "TOPR" at 21.417,5.578 h2.5 r90; Bottom Layer "BOTR" at 18.317,23.878 h2.5 r270
Designator95_2: Top Layer "TOP" at 22.928,1.233 h3; Bottom Layer "BOT" at 41.228,4.333 h3 r180
Designator95_2: Top Layer "TOPR" at 214.822,4.017 h2.5 r180; Bottom Layer "BOTR" at 196.522,0.917 h2.5
Designator95_2: Top Layer "TOP" at 219.167,5.528 h3 r90; Bottom Layer "BOT" at 216.067,23.828 h3 r270
U2: Top Overlay "+" at 89.43,60.301 h0.81 r90; Top Overlay "-" at 91.72,60.3 h0.81 r90
U2: Top Overlay "+" at 41.285,60.301 h0.81 r90; Top Overlay "-" at 43.575,60.3 h0.81 r90
U2: Top Overlay "+" at 137.575,60.301 h0.81 r90; Top Overlay "-" at 139.865,60.3 h0.81 r90
U2: Top Overlay "+" at 185.72,60.301 h0.81 r90; Top Overlay "-" at 188.01,60.3 h0.81 r90
U2: Top Overlay "+" at 185.72,134.989 h0.81 r90; Top Overlay "-" at 188.01,134.989 h0.81 r90
U2: Top Overlay "+" at 137.575,134.989 h0.81 r90; Top Overlay "-" at 139.865,134.989 h0.81 r90
U2: Top Overlay "+" at 41.285,134.989 h0.81 r90; Top Overlay "-" at 43.575,134.989 h0.81 r90
U2: Top Overlay "+" at 89.43,134.989 h0.81 r90; Top Overlay "-" at 91.72,134.989 h0.81 r90
U2: Top Overlay "+" at 185.72,209.677 h0.81 r90; Top Overlay "-" at 188.01,209.677 h0.81 r90
U2: Top Overlay "+" at 137.575,209.677 h0.81 r90; Top Overlay "-" at 139.865,209.677 h0.81 r90
U2: Top Overlay "+" at 41.285,209.677 h0.81 r90; Top Overlay "-" at 43.575,209.677 h0.81 r90
U2: Top Overlay "+" at 89.43,209.677 h0.81 r90; Top Overlay "-" at 91.72,209.677 h0.81 r90
U2: Top Overlay "+" at 185.72,284.366 h0.81 r90; Top Overlay "-" at 188.01,284.365 h0.81 r90
U2: Top Overlay "+" at 137.575,284.366 h0.81 r90; Top Overlay "-" at 139.865,284.365 h0.81 r90
U2: Top Overlay "+" at 41.285,284.366 h0.81 r90; Top Overlay "-" at 43.575,284.365 h0.81 r90
U2: Top Overlay "+" at 89.43,284.366 h0.81 r90; Top Overlay "-" at 91.72,284.365 h0.81 r90